# KiCad board DIP8breakout+potToUSB.kicad_pcb (continued)
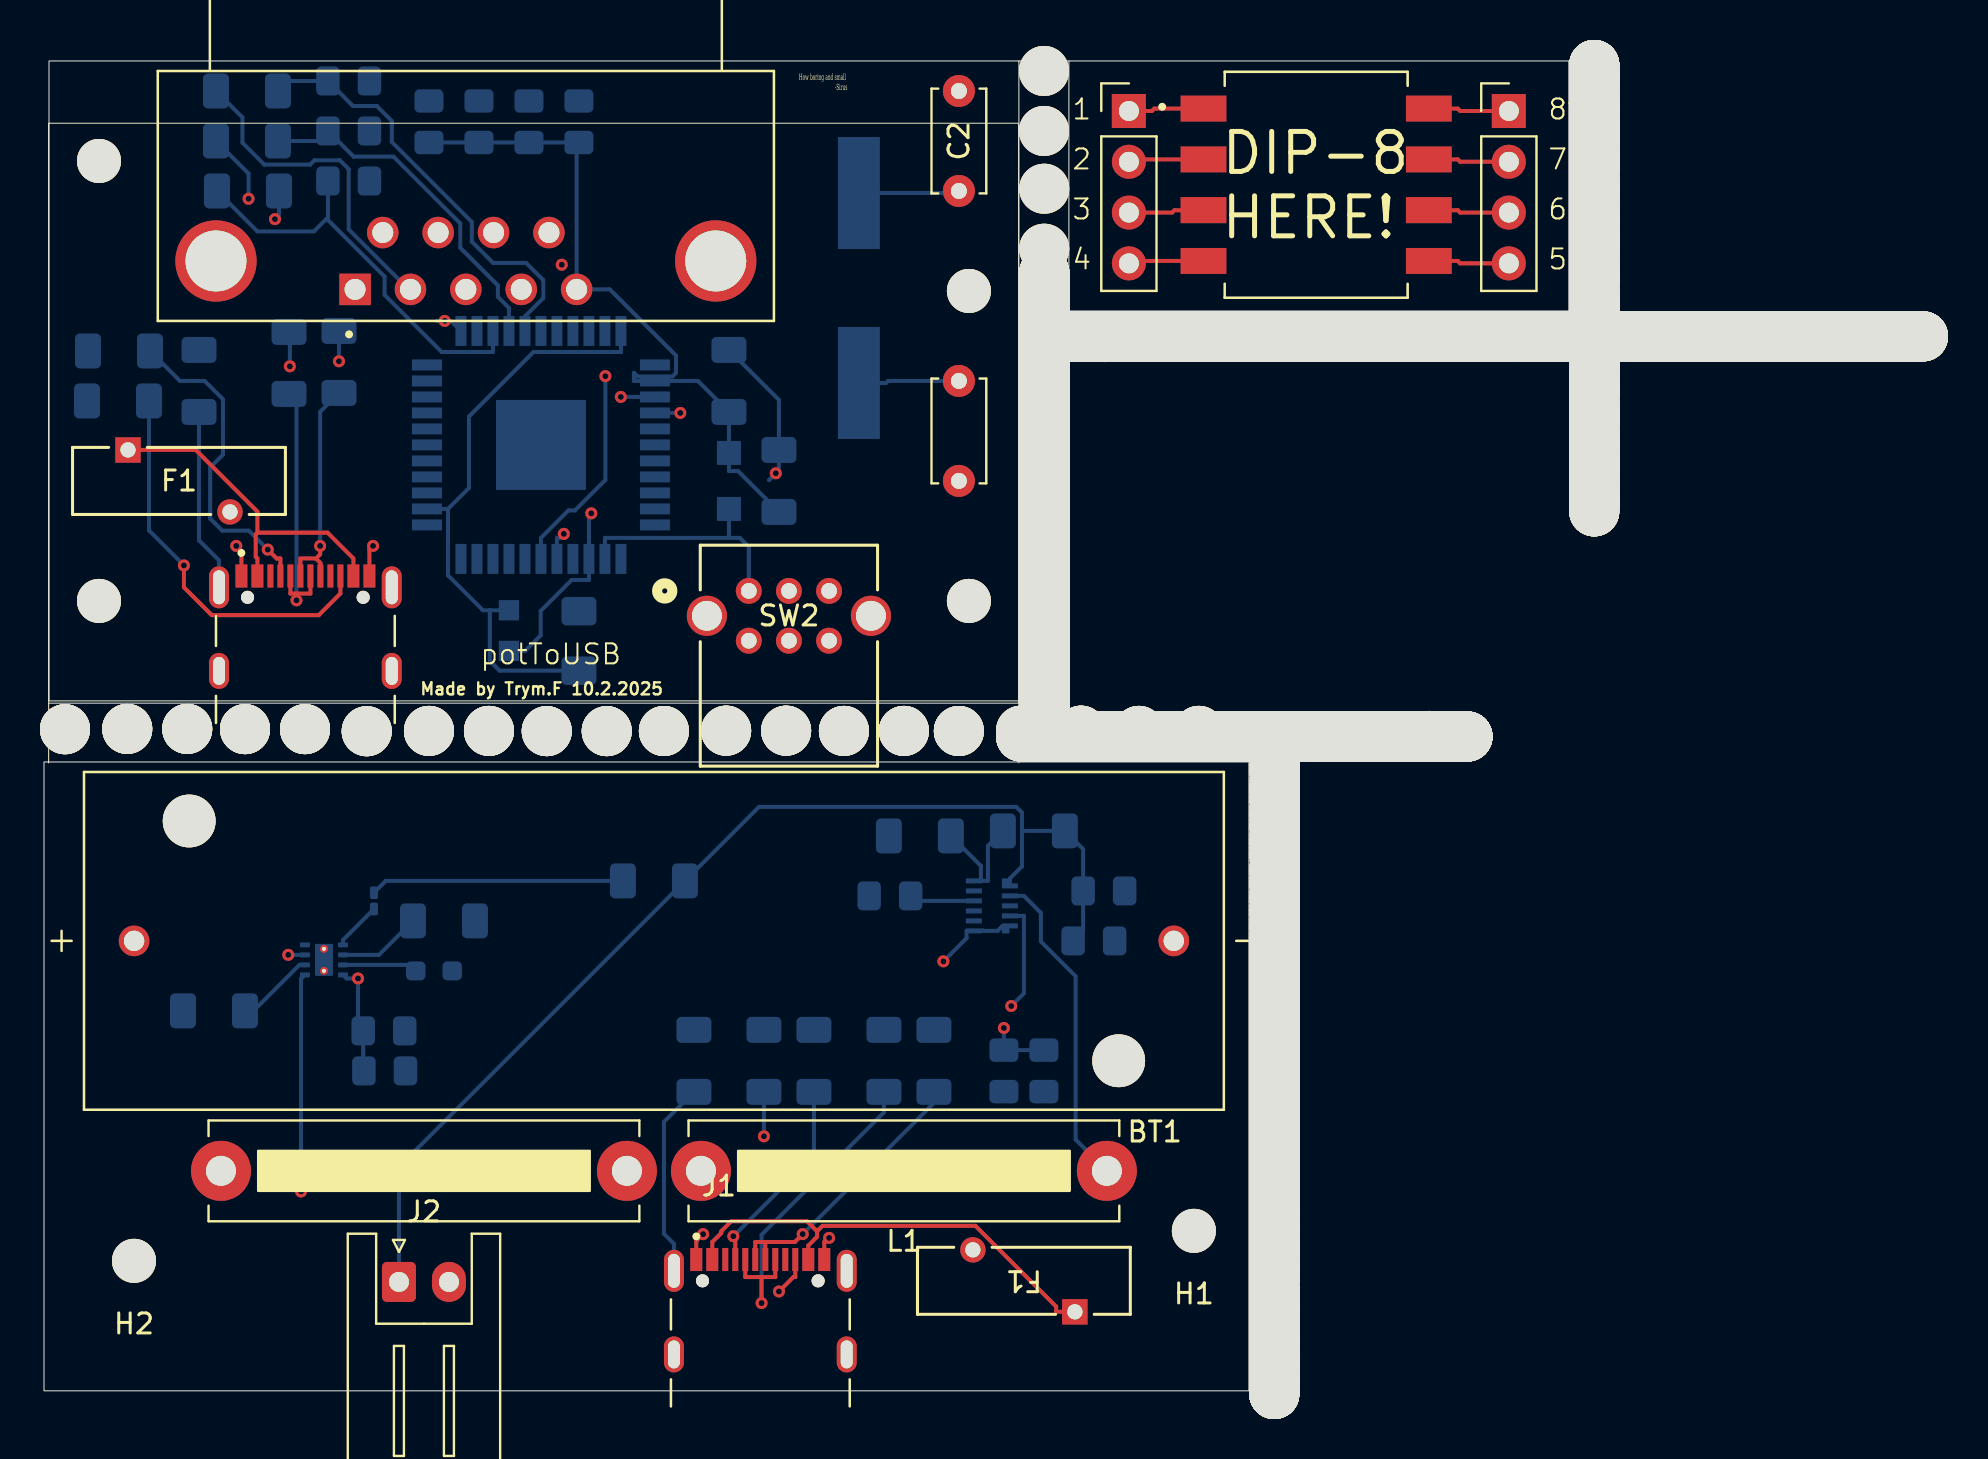
[diagram p0: board, top side]
## Placement (name value [footprint] x y rotation side) (continued)
H10#704  MountingHole  [MountingHole_2.5mm]  52.72 52.73 270 bottom
H10#705  MountingHole  [MountingHole_2.5mm]  50.02 54.11 180 bottom
H10#706  MountingHole  [MountingHole_2.5mm]  61.52 19.7 0 bottom
H10#707  MountingHole  [MountingHole_2.5mm]  77.52 62.14 180 bottom
H10#708  MountingHole  [MountingHole_2.5mm]  55.76 32.72 90 bottom
H10#709  MountingHole  [MountingHole_2.5mm]  83.76 52.73 270 bottom
H10#710  MountingHole  [MountingHole_2.5mm]  61.52 20.56 0 bottom
H10#711  MountingHole  [MountingHole_2.5mm]  50.02 54.31 180 bottom
H10#712  MountingHole  [MountingHole_2.5mm]  52.48 32.72 90 bottom
H10#713  MountingHole  [MountingHole_2.5mm]  50.02 35.59 180 bottom
H10#714  MountingHole  [MountingHole_2.5mm]  64.94 32.72 90 bottom
H10#715  MountingHole  [MountingHole_2.5mm]  77.52 63.14 180 bottom
H10#716  MountingHole  [MountingHole_2.5mm]  69.58 32.72 90 bottom
H10#717  MountingHole  [MountingHole_2.5mm]  50.02 52.29 180 bottom
H10#718  MountingHole  [MountingHole_2.5mm]  77.52 52.78 180 bottom
H10#719  MountingHole  [MountingHole_2.5mm]  50.02 42.85 180 bottom
H10#720  MountingHole  [MountingHole_2.5mm]  61.52 6.54 0 bottom
H10#721  MountingHole  [MountingHole_2.5mm]  77.88 52.73 270 bottom
H10#722  MountingHole  [MountingHole_2.5mm]  83.56 52.73 270 bottom
H10#723  MountingHole  [MountingHole_2.5mm]  50.46 32.72 90 bottom
H10#724  MountingHole  [MountingHole_2.5mm]  50.02 51.55 180 bottom
H10#725  MountingHole  [MountingHole_2.5mm]  61.52 1.64 0 bottom
H10#726  MountingHole  [MountingHole_2.5mm]  63.24 52.73 270 bottom
H10#727  MountingHole  [MountingHole_2.5mm]  83.96 52.73 270 bottom
H10#728  MountingHole  [MountingHole_2.5mm]  61.52 12.36 0 bottom
H10#729  MountingHole  [MountingHole_2.5mm]  61.52 3.26 0 bottom
H10#730  MountingHole  [MountingHole_2.5mm]  50.02 48.01 180 bottom
H10#731  MountingHole  [MountingHole_2.5mm]  61.55 26.91 180 bottom
H10#732  MountingHole  [MountingHole_2.5mm]  61.52 9.1 0 bottom
H10#733  MountingHole  [MountingHole_2.5mm]  50.02 47.31 180 bottom
H10#734  MountingHole  [MountingHole_2.5mm]  50.02 49.21 180 bottom
H10#735  MountingHole  [MountingHole_2.5mm]  82.3 52.73 270 bottom
H10#736  MountingHole  [MountingHole_2.5mm]  77.52 63.34 180 bottom
H10#737  MountingHole  [MountingHole_2.5mm]  61.52 0.5 0 bottom
H10#738  MountingHole  [MountingHole_2.5mm]  56.1 32.72 90 bottom
H10#739  MountingHole  [MountingHole_2.5mm]  50.02 41.29 180 bottom
H10#740  MountingHole  [MountingHole_2.5mm]  77.52 52.08 180 bottom
H10#741  MountingHole  [MountingHole_2.5mm]  50.02 48.67 180 bottom
H10#742  MountingHole  [MountingHole_2.5mm]  61.55 11.01 180 bottom
H10#743  MountingHole  [MountingHole_2.5mm]  55.68 52.73 270 bottom
H10#744  MountingHole  [MountingHole_2.5mm]  50.02 35.85 180 bottom
H10#745  MountingHole  [MountingHole_2.5mm]  76 52.73 270 bottom
H10#746  MountingHole  [MountingHole_2.5mm]  61.52 7.08 0 bottom
H10#747  MountingHole  [MountingHole_2.5mm]  61.98 52.73 270 bottom
H10#748  MountingHole  [MountingHole_2.5mm]  54.75 33 90 bottom
H10#749  MountingHole  [MountingHole_2.5mm]  77.52 52.98 180 bottom
H10#750  MountingHole  [MountingHole_2.5mm]  57.46 32.72 90 bottom
H10#751  MountingHole  [MountingHole_2.5mm]  77.52 49.82 180 bottom
H10#752  MountingHole  [MountingHole_2.5mm]  61.55 31.53 180 bottom
H10#753  MountingHole  [MountingHole_2.5mm]  72.04 52.73 270 bottom
H10#754  MountingHole  [MountingHole_2.5mm]  61.52 6.08 0 bottom
H10#755  MountingHole  [MountingHole_2.5mm]  16.14 32.98 90 bottom
H10#756  MountingHole  [MountingHole_2.5mm]  77.52 62.88 180 bottom
H10#757  MountingHole  [MountingHole_2.5mm]  61.55 21.07 180 bottom
H10#758  MountingHole  [MountingHole_2.5mm]  77.52 56.3 180 bottom
H10#759  MountingHole  [MountingHole_2.5mm]  50.02 40.83 180 bottom
H10#760  MountingHole  [MountingHole_2.5mm]  61.52 4 0 bottom
H10#761  MountingHole  [MountingHole_2.5mm]  61.55 16.31 180 bottom
H10#762  MountingHole  [MountingHole_2.5mm]  81.84 52.73 270 bottom
H10#763  MountingHole  [MountingHole_2.5mm]  72.9 52.73 270 bottom
H10#764  MountingHole  [MountingHole_2.5mm]  56.1 32.72 90 bottom
H10#765  MountingHole  [MountingHole_2.5mm]  73.24 52.73 270 bottom
H10#766  MountingHole  [MountingHole_2.5mm]  61.55 30.33 180 bottom
H10#767  MountingHole  [MountingHole_2.5mm]  89.2 52.73 270 bottom
H10#768  MountingHole  [MountingHole_2.5mm]  50.02 49.87 180 bottom
H10#769  MountingHole  [MountingHole_2.5mm]  61.52 21.3 0 bottom
H10#770  MountingHole  [MountingHole_2.5mm]  58.82 52.73 270 bottom
H10#771  MountingHole  [MountingHole_2.5mm]  50.66 32.72 90 bottom
H10#772  MountingHole  [MountingHole_2.5mm]  61.98 52.73 270 bottom
H10#773  MountingHole  [MountingHole_2.5mm]  74.1 52.73 270 bottom
H10#774  MountingHole  [MountingHole_2.5mm]  77.52 59.06 180 bottom
H10#775  MountingHole  [MountingHole_2.5mm]  61.55 24.03 180 bottom
H10#776  MountingHole  [MountingHole_2.5mm]  77.52 46.44 180 bottom
H10#777  MountingHole  [MountingHole_2.5mm]  66.62 32.72 90 bottom
H10#778  MountingHole  [MountingHole_2.5mm]  78.14 52.73 270 bottom
H10#779  MountingHole  [MountingHole_2.5mm]  58.36 52.73 270 bottom
H10#780  MountingHole  [MountingHole_2.5mm]  68.02 32.72 90 bottom
H10#781  MountingHole  [MountingHole_2.5mm]  61.52 14.92 0 bottom
H10#782  MountingHole  [MountingHole_2.5mm]  74.8 52.73 270 bottom
H10#783  MountingHole  [MountingHole_2.5mm]  77.52 50.68 180 bottom
H10#784  MountingHole  [MountingHole_2.5mm]  77.06 52.73 270 bottom
H10#785  MountingHole  [MountingHole_2.5mm]  61.55 28.57 180 bottom
H10#786  MountingHole  [MountingHole_2.5mm]  68.02 52.73 270 bottom
H10#787  MountingHole  [MountingHole_2.5mm]  61.55 26.71 180 bottom
H10#788  MountingHole  [MountingHole_2.5mm]  52.02 32.72 90 bottom
H10#789  MountingHole  [MountingHole_2.5mm]  50.02 51.35 180 bottom
H10#790  MountingHole  [MountingHole_2.5mm]  50.02 43.59 180 bottom
H10#791  MountingHole  [MountingHole_2.5mm]  69.38 32.72 90 bottom
H10#792  MountingHole  [MountingHole_2.5mm]  77.52 55.44 180 bottom
H10#793  MountingHole  [MountingHole_2.5mm]  55.48 52.73 270 bottom
H10#794  MountingHole  [MountingHole_2.5mm]  61.52 7.28 0 bottom
H10#795  MountingHole  [MountingHole_2.5mm]  62.38 32.72 90 bottom
H10#796  MountingHole  [MountingHole_2.5mm]  61.52 4.2 0 bottom
H10#797  MountingHole  [MountingHole_2.5mm]  73.04 52.73 270 bottom
H10#798  MountingHole  [MountingHole_2.5mm]  61.55 19.81 180 bottom
H10#799  MountingHole  [MountingHole_2.5mm]  77.52 63.84 180 bottom
H10#800  MountingHole  [MountingHole_2.5mm]  57.82 52.73 270 bottom
H10#801  MountingHole  [MountingHole_2.5mm]  61.52 19.9 0 bottom
H10#802  MountingHole  [MountingHole_2.5mm]  90.34 52.73 270 bottom
H10#803  MountingHole  [MountingHole_2.5mm]  69.62 52.73 270 bottom
H10#804  MountingHole  [MountingHole_2.5mm]  70.98 52.73 270 bottom
H10#805  MountingHole  [MountingHole_2.5mm]  55.1 32.72 90 bottom
H10#806  MountingHole  [MountingHole_2.5mm]  59.92 52.73 270 bottom
H10#807  MountingHole  [MountingHole_2.5mm]  50.02 45.91 180 bottom
H10#808  MountingHole  [MountingHole_2.5mm]  68.92 32.72 90 bottom
H10#809  MountingHole  [MountingHole_2.5mm]  77.52 66.3 180 bottom
H10#810  MountingHole  [MountingHole_2.5mm]  68.22 52.73 270 bottom
H10#811  MountingHole  [MountingHole_2.5mm]  61.55 15.65 180 bottom
H10#812  MountingHole  [MountingHole_2.5mm]  87.46 52.73 270 bottom
H10#813  MountingHole  [MountingHole_2.5mm]  77.52 47.6 180 bottom
H10#814  MountingHole  [MountingHole_2.5mm]  92.16 52.73 270 bottom
H10#815  MountingHole  [MountingHole_2.5mm]  60.32 32.72 90 bottom
H10#816  MountingHole  [MountingHole_2.5mm]  52.48 32.72 90 bottom
H10#817  MountingHole  [MountingHole_2.5mm]  77.52 49.2 180 bottom
H10#818  MountingHole  [MountingHole_2.5mm]  74.8 52.73 270 bottom
H10#819  MountingHole  [MountingHole_2.5mm]  61.55 22.47 180 bottom
H10#820  MountingHole  [MountingHole_2.5mm]  61.52 17.8 0 bottom
H10#821  MountingHole  [MountingHole_2.5mm]  53.38 52.73 270 bottom
H10#822  MountingHole  [MountingHole_2.5mm]  73.9 52.73 270 bottom
H10#823  MountingHole  [MountingHole_2.5mm]  71.84 52.73 270 bottom
H10#824  MountingHole  [MountingHole_2.5mm]  61.52 19.5 0 bottom
H10#825  MountingHole  [MountingHole_2.5mm]  50.02 39.43 180 bottom
H10#826  MountingHole  [MountingHole_2.5mm]  61.52 15.66 0 bottom
H10#827  MountingHole  [MountingHole_2.5mm]  61.55 23.63 180 bottom
H10#828  MountingHole  [MountingHole_2.5mm]  77.52 59.8 180 bottom
H10#829  MountingHole  [MountingHole_2.5mm]  77.52 50.68 180 bottom
H10#830  MountingHole  [MountingHole_2.5mm]  77.52 64.5 180 bottom
H10#831  MountingHole  [MountingHole_2.5mm]  67.02 32.72 90 bottom
H10#832  MountingHole  [MountingHole_2.5mm]  59.72 52.73 270 bottom
H10#833  MountingHole  [MountingHole_2.5mm]  77.52 44.38 180 bottom
H10#834  MountingHole  [MountingHole_2.5mm]  86.52 52.73 270 bottom
H10#835  MountingHole  [MountingHole_2.5mm]  50.02 50.89 180 bottom
H10#836  MountingHole  [MountingHole_2.5mm]  68.02 32.72 90 bottom
H10#837  MountingHole  [MountingHole_2.5mm]  49.06 32.72 90 bottom
H10#838  MountingHole  [MountingHole_2.5mm]  80.9 52.73 270 bottom
H10#839  MountingHole  [MountingHole_2.5mm]  92.16 52.73 270 bottom
H10#840  MountingHole  [MountingHole_2.5mm]  71.64 52.73 270 bottom
H10#841  MountingHole  [MountingHole_2.5mm]  61.32 52.73 270 bottom
H10#842  MountingHole  [MountingHole_2.5mm]  77.52 57.04 180 bottom
H10#843  MountingHole  [MountingHole_2.5mm]  50.02 46.65 180 bottom
H10#844  MountingHole  [MountingHole_2.5mm]  50.02 38.61 180 bottom
H10#845  MountingHole  [MountingHole_2.5mm]  61.55 23.83 180 bottom
H10#846  MountingHole  [MountingHole_2.5mm]  87.26 52.73 270 bottom
H10#847  MountingHole  [MountingHole_2.5mm]  61.55 31.53 180 bottom
H10#848  MountingHole  [MountingHole_2.5mm]  61.52 11.5 0 bottom
H10#849  MountingHole  [MountingHole_2.5mm]  77.52 62.68 180 bottom
H10#850  MountingHole  [MountingHole_2.5mm]  61.55 22.67 180 bottom
H10#851  MountingHole  [MountingHole_2.5mm]  59.02 52.73 270 bottom
H10#852  MountingHole  [MountingHole_2.5mm]  77.52 64.9 180 bottom
H10#853  MountingHole  [MountingHole_2.5mm]  65.54 52.73 270 bottom
H10#854  MountingHole  [MountingHole_2.5mm]  61.52 11.76 0 bottom
H10#855  MountingHole  [MountingHole_2.5mm]  77.52 62.48 180 bottom
H10#856  MountingHole  [MountingHole_2.5mm]  50.02 43.59 180 bottom
H10#857  MountingHole  [MountingHole_2.5mm]  48.86 32.72 90 bottom
H10#858  MountingHole  [MountingHole_2.5mm]  80.24 52.73 270 bottom
H10#859  MountingHole  [MountingHole_2.5mm]  51.32 52.73 270 bottom
H10#860  MountingHole  [MountingHole_2.5mm]  61.52 14.46 0 bottom
H10#861  MountingHole  [MountingHole_2.5mm]  53.22 32.72 90 bottom
H10#862  MountingHole  [MountingHole_2.5mm]  61.32 52.73 270 bottom
H10#863  MountingHole  [MountingHole_2.5mm]  50.02 50.69 180 bottom
H10#864  MountingHole  [MountingHole_2.5mm]  72.18 52.73 270 bottom
H10#865  MountingHole  [MountingHole_2.5mm]  77.52 50.48 180 bottom
H10#866  MountingHole  [MountingHole_2.5mm]  61.55 22.67 180 bottom
H10#867  MountingHole  [MountingHole_2.5mm]  61.55 24.29 180 bottom
H10#868  MountingHole  [MountingHole_2.5mm]  75.66 52.73 270 bottom
H10#869  MountingHole  [MountingHole_2.5mm]  55.48 52.73 270 bottom
H10#870  MountingHole  [MountingHole_2.5mm]  59.42 52.73 270 bottom
H10#871  MountingHole  [MountingHole_2.5mm]  50.02 55.05 180 bottom
H10#872  MountingHole  [MountingHole_2.5mm]  61.52 7.94 0 bottom
H10#873  MountingHole  [MountingHole_2.5mm]  77.68 52.73 270 bottom
H10#874  MountingHole  [MountingHole_2.5mm]  50.02 36.25 180 bottom
H10#875  MountingHole  [MountingHole_2.5mm]  77.52 46.94 180 bottom
H10#876  MountingHole  [MountingHole_2.5mm]  61.52 17.4 0 bottom
H10#877  MountingHole  [MountingHole_2.5mm]  84.7 52.73 270 bottom
H10#878  MountingHole  [MountingHole_2.5mm]  73.04 52.73 270 bottom
H10#879  MountingHole  [MountingHole_2.5mm]  60.12 52.73 270 bottom
H10#880  MountingHole  [MountingHole_2.5mm]  72.38 52.73 270 bottom
H10#881  MountingHole  [MountingHole_2.5mm]  77.52 58.4 180 bottom
H10#882  MountingHole  [MountingHole_2.5mm]  50.02 51.35 180 bottom
H10#883  MountingHole  [MountingHole_2.5mm]  50.02 50.49 180 bottom
H10#884  MountingHole  [MountingHole_2.5mm]  61.52 13.56 0 bottom
H10#885  MountingHole  [MountingHole_2.5mm]  61.55 30.67 180 bottom
H10#886  MountingHole  [MountingHole_2.5mm]  61.18 32.72 90 bottom
H10#887  MountingHole  [MountingHole_2.5mm]  49.46 32.72 90 bottom
H10#888  MountingHole  [MountingHole_2.5mm]  51.52 52.73 270 bottom
H10#889  MountingHole  [MountingHole_2.5mm]  50.02 48.47 180 bottom
H10#890  MountingHole  [MountingHole_2.5mm]  50.02 39.43 180 bottom
H10#891  MountingHole  [MountingHole_2.5mm]  50.02 35.19 180 bottom
H10#892  MountingHole  [MountingHole_2.5mm]  61.55 19.41 180 bottom
H10#893  MountingHole  [MountingHole_2.5mm]  61.52 5.68 0 bottom
H10#894  MountingHole  [MountingHole_2.5mm]  56.54 52.73 270 bottom
H10#895  MountingHole  [MountingHole_2.5mm]  77.52 62.68 180 bottom
H10#896  MountingHole  [MountingHole_2.5mm]  61.52 9.64 0 bottom
H10#897  MountingHole  [MountingHole_2.5mm]  63.08 32.72 90 bottom
H10#898  MountingHole  [MountingHole_2.5mm]  50.02 44.25 180 bottom
H10#899  MountingHole  [MountingHole_2.5mm]  77.52 64.7 180 bottom
H10#900  MountingHole  [MountingHole_2.5mm]  61.55 17.71 180 bottom
H10#901  MountingHole  [MountingHole_2.5mm]  53.18 52.73 270 bottom
H10#902  MountingHole  [MountingHole_2.5mm]  61.55 20.87 180 bottom
H10#903  MountingHole  [MountingHole_2.5mm]  90.8 52.73 270 bottom
H10#904  MountingHole  [MountingHole_2.5mm]  71.64 52.73 270 bottom
H10#905  MountingHole  [MountingHole_2.5mm]  61.55 12.57 180 bottom
H10#906  MountingHole  [MountingHole_2.5mm]  50.02 42.65 180 bottom
H10#907  MountingHole  [MountingHole_2.5mm]  59.22 52.73 270 bottom
H10#908  MountingHole  [MountingHole_2.5mm]  50.02 33.99 180 bottom
H10#909  MountingHole  [MountingHole_2.5mm]  61.52 21.1 0 bottom
H10#910  MountingHole  [MountingHole_2.5mm]  68.72 32.72 90 bottom
H10#911  MountingHole  [MountingHole_2.5mm]  50.02 40.09 180 bottom
H10#912  MountingHole  [MountingHole_2.5mm]  89.6 52.73 270 bottom
H10#913  MountingHole  [MountingHole_2.5mm]  53.22 32.72 90 bottom
H10#914  MountingHole  [MountingHole_2.5mm]  89.14 52.73 270 bottom
H10#915  MountingHole  [MountingHole_2.5mm]  61.52 14.06 0 bottom
H10#916  MountingHole  [MountingHole_2.5mm]  71.18 52.73 270 bottom
H10#917  MountingHole  [MountingHole_2.5mm]  89.8 52.73 270 bottom
H10#918  MountingHole  [MountingHole_2.5mm]  77.52 61.74 180 bottom
H10#919  MountingHole  [MountingHole_2.5mm]  50.02 52.09 180 bottom
H10#920  MountingHole  [MountingHole_2.5mm]  61.52 4.6 0 bottom
H10#921  MountingHole  [MountingHole_2.5mm]  61.55 10.47 180 bottom
H10#922  MountingHole  [MountingHole_2.5mm]  50.02 41.03 180 bottom
H10#923  MountingHole  [MountingHole_2.5mm]  61.55 27.57 180 bottom
H10#924  MountingHole  [MountingHole_2.5mm]  77.52 44.84 180 bottom
H10#925  MountingHole  [MountingHole_2.5mm]  50.02 45.91 180 bottom
H10#926  MountingHole  [MountingHole_2.5mm]  58.12 32.72 90 bottom
H10#927  MountingHole  [MountingHole_2.5mm]  61.52 8.84 0 bottom
H10#928  MountingHole  [MountingHole_2.5mm]  65.14 52.73 270 bottom
H10#929  MountingHole  [MountingHole_2.5mm]  59.02 52.73 270 bottom
H10#930  MountingHole  [MountingHole_2.5mm]  93.96 52.73 270 bottom
H10#931  MountingHole  [MountingHole_2.5mm]  61.55 14.63 180 bottom
H10#932  MountingHole  [MountingHole_2.5mm]  50.02 52.75 180 bottom
H10#933  MountingHole  [MountingHole_2.5mm]  67.56 32.72 90 bottom
H10#934  MountingHole  [MountingHole_2.5mm]  61.55 26.91 180 bottom
H10#935  MountingHole  [MountingHole_2.5mm]  70.78 52.73 270 bottom
H10#936  MountingHole  [MountingHole_2.5mm]  56.34 52.73 270 bottom
H10#937  MountingHole  [MountingHole_2.5mm]  57.92 32.72 90 bottom
H10#938  MountingHole  [MountingHole_2.5mm]  65.14 32.72 90 bottom
H10#939  MountingHole  [MountingHole_2.5mm]  60.38 52.73 270 bottom
H10#940  MountingHole  [MountingHole_2.5mm]  50.12 32.72 90 bottom
H10#941  MountingHole  [MountingHole_2.5mm]  61.52 21.3 0 bottom
H10#942  MountingHole  [MountingHole_2.5mm]  68.22 32.72 90 bottom
H10#943  MountingHole  [MountingHole_2.5mm]  77.52 51.68 180 bottom
H10#944  MountingHole  [MountingHole_2.5mm]  50.02 54.85 180 bottom
H10#945  MountingHole  [MountingHole_2.5mm]  70.98 32.72 90 bottom
H10#946  MountingHole  [MountingHole_2.5mm]  61.52 16.94 0 bottom
H10#947  MountingHole  [MountingHole_2.5mm]  50.02 47.11 180 bottom
H10#948  MountingHole  [MountingHole_2.5mm]  61.52 21.76 0 bottom
H10#949  MountingHole  [MountingHole_2.5mm]  50.02 38.61 180 bottom
H10#950  MountingHole  [MountingHole_2.5mm]  65.34 32.72 90 bottom
H10#951  MountingHole  [MountingHole_2.5mm]  77.52 59.06 180 bottom
H10#952  MountingHole  [MountingHole_2.5mm]  84.16 52.73 270 bottom
H10#953  MountingHole  [MountingHole_2.5mm]  50.02 46.11 180 bottom
H10#954  MountingHole  [MountingHole_2.5mm]  52.72 52.73 270 bottom
H10#955  MountingHole  [MountingHole_2.5mm]  61.52 0.24 0 bottom
H10#956  MountingHole  [MountingHole_2.5mm]  56.96 32.72 90 bottom
H10#957  MountingHole  [MountingHole_2.5mm]  56.56 32.72 90 bottom
H10#958  MountingHole  [MountingHole_2.5mm]  73.9 52.73 270 bottom
H10#959  MountingHole  [MountingHole_2.5mm]  62.58 52.73 270 bottom
H10#960  MountingHole  [MountingHole_2.5mm]  70.98 52.73 270 bottom
H10#961  MountingHole  [MountingHole_2.5mm]  70.32 32.72 90 bottom
H10#962  MountingHole  [MountingHole_2.5mm]  61.52 12.7 0 bottom
H10#963  MountingHole  [MountingHole_2.5mm]  77.52 51.88 180 bottom
H10#964  MountingHole  [MountingHole_2.5mm]  51.62 32.72 90 bottom
H10#965  MountingHole  [MountingHole_2.5mm]  61.52 8.44 0 bottom
H10#966  MountingHole  [MountingHole_2.5mm]  61.72 32.72 90 bottom
H10#967  MountingHole  [MountingHole_2.5mm]  64.44 52.73 270 bottom
H10#968  MountingHole  [MountingHole_2.5mm]  61.52 16.12 0 bottom
H10#969  MountingHole  [MountingHole_2.5mm]  83.3 52.73 270 bottom
H10#970  MountingHole  [MountingHole_2.5mm]  52.18 52.73 270 bottom
H10#971  MountingHole  [MountingHole_2.5mm]  50.02 46.45 180 bottom
H10#972  MountingHole  [MountingHole_2.5mm]  61.12 52.73 270 bottom
H10#973  MountingHole  [MountingHole_2.5mm]  77.52 45.58 180 bottom
H10#974  MountingHole  [MountingHole_2.5mm]  81.1 52.73 270 bottom
H10#975  MountingHole  [MountingHole_2.5mm]  50.66 32.72 90 bottom
H10#976  MountingHole  [MountingHole_2.5mm]  77.52 57.5 180 bottom
H10#977  MountingHole  [MountingHole_2.5mm]  56.3 32.72 90 bottom
H10#978  MountingHole  [MountingHole_2.5mm]  77.52 66.1 180 bottom
H10#979  MountingHole  [MountingHole_2.5mm]  64.18 52.73 270 bottom
H10#980  MountingHole  [MountingHole_2.5mm]  61.52 10.24 0 bottom
H10#981  MountingHole  [MountingHole_2.5mm]  77.52 65.24 180 bottom
H10#982  MountingHole  [MountingHole_2.5mm]  54.7 32.72 90 bottom
H10#983  MountingHole  [MountingHole_2.5mm]  61.52 11.3 0 bottom
H10#984  MountingHole  [MountingHole_2.5mm]  61.55 29.93 180 bottom
H10#985  MountingHole  [MountingHole_2.5mm]  77.52 65.9 180 bottom
H10#986  MountingHole  [MountingHole_2.5mm]  57.16 32.72 90 bottom
H10#987  MountingHole  [MountingHole_2.5mm]  61.78 52.73 270 bottom
H10#988  MountingHole  [MountingHole_2.5mm]  61.55 21.27 180 bottom
H10#989  MountingHole  [MountingHole_2.5mm]  77.52 64.24 180 bottom
H10#990  MountingHole  [MountingHole_2.5mm]  77.52 45.98 180 bottom
H10#991  MountingHole  [MountingHole_2.5mm]  77.52 54.18 180 bottom
H10#992  MountingHole  [MountingHole_2.5mm]  60.98 32.72 90 bottom
H10#993  MountingHole  [MountingHole_2.5mm]  50.02 53.65 180 bottom
H10#994  MountingHole  [MountingHole_2.5mm]  50.02 42.39 180 bottom
H10#995  MountingHole  [MountingHole_2.5mm]  61.55 25.89 180 bottom
H10#996  MountingHole  [MountingHole_2.5mm]  61.52 21.76 0 bottom
H10#997  MountingHole  [MountingHole_2.5mm]  71.18 32.72 90 bottom
H10#998  MountingHole  [MountingHole_2.5mm]  87.92 52.73 270 bottom
H10#999  MountingHole  [MountingHole_2.5mm]  66 52.73 270 bottom
H10#1000  MountingHole  [MountingHole_2.5mm]  61.55 15.65 180 bottom
H10#1001  MountingHole  [MountingHole_2.5mm]  84.5 52.73 270 bottom
H10#1002  MountingHole  [MountingHole_2.5mm]  86.06 52.73 270 bottom
H10#1003  MountingHole  [MountingHole_2.5mm]  50.02 48.87 180 bottom
H10#1004  MountingHole  [MountingHole_2.5mm]  50.02 44.05 180 bottom
H10#1005  MountingHole  [MountingHole_2.5mm]  50.02 41.03 180 bottom
H10#1006  MountingHole  [MountingHole_2.5mm]  51.82 32.72 90 bottom
H10#1007  MountingHole  [MountingHole_2.5mm]  56.76 52.73 270 bottom
H10#1008  MountingHole  [MountingHole_2.5mm]  61.55 21.27 180 bottom
H10#1009  MountingHole  [MountingHole_2.5mm]  61.55 22.67 180 bottom
H10#1010  MountingHole  [MountingHole_2.5mm]  79.54 52.73 270 bottom
H10#1011  MountingHole  [MountingHole_2.5mm]  77.52 60.46 180 bottom
H10#1012  MountingHole  [MountingHole_2.5mm]  61.55 20.01 180 bottom
H10#1013  MountingHole  [MountingHole_2.5mm]  61.55 25.43 180 bottom
H10#1014  MountingHole  [MountingHole_2.5mm]  62.18 32.72 90 bottom
H10#1015  MountingHole  [MountingHole_2.5mm]  50.02 53.45 180 bottom
H10#1016  MountingHole  [MountingHole_2.5mm]  50.02 55.05 180 bottom
H10#1017  MountingHole  [MountingHole_2.5mm]  91.3 52.73 270 bottom
H10#1018  MountingHole  [MountingHole_2.5mm]  66.36 32.72 90 bottom
H10#1019  MountingHole  [MountingHole_2.5mm]  77.52 64.04 180 bottom
H10#1020  MountingHole  [MountingHole_2.5mm]  61.32 52.73 270 bottom
H10#1021  MountingHole  [MountingHole_2.5mm]  63.44 52.73 270 bottom
H10#1022  MountingHole  [MountingHole_2.5mm]  67.6 52.73 270 bottom
H10#1023  MountingHole  [MountingHole_2.5mm]  77.52 58.86 180 bottom
H10#1024  MountingHole  [MountingHole_2.5mm]  61.55 15.25 180 bottom
H10#1025  MountingHole  [MountingHole_2.5mm]  53.22 32.72 90 bottom
H10#1026  MountingHole  [MountingHole_2.5mm]  51.98 52.73 270 bottom
H10#1027  MountingHole  [MountingHole_2.5mm]  90.54 52.73 270 bottom
H10#1028  MountingHole  [MountingHole_2.5mm]  74.4 52.73 270 bottom
H10#1029  MountingHole  [MountingHole_2.5mm]  59.26 32.72 90 bottom
H10#1030  MountingHole  [MountingHole_2.5mm]  52.92 52.73 270 bottom
H10#1031  MountingHole  [MountingHole_2.5mm]  70.98 32.72 90 bottom
H10#1032  MountingHole  [MountingHole_2.5mm]  64.48 32.72 90 bottom
H10#1033  MountingHole  [MountingHole_2.5mm]  65.74 52.73 270 bottom
H10#1034  MountingHole  [MountingHole_2.5mm]  79.74 52.73 270 bottom
H10#1035  MountingHole  [MountingHole_2.5mm]  61.52 12.5 0 bottom
H10#1036  MountingHole  [MountingHole_2.5mm]  50.02 47.31 180 bottom
H10#1037  MountingHole  [MountingHole_2.5mm]  61.52 52.73 270 bottom
H10#1038  MountingHole  [MountingHole_2.5mm]  50.02 38.81 180 bottom
H10#1039  MountingHole  [MountingHole_2.5mm]  61.55 26.09 180 bottom
H10#1040  MountingHole  [MountingHole_2.5mm]  61.78 52.73 270 bottom
H10#1041  MountingHole  [MountingHole_2.5mm]  58.76 52.73 270 bottom
H10#1042  MountingHole  [MountingHole_2.5mm]  61.52 1.44 0 bottom
H10#1043  MountingHole  [MountingHole_2.5mm]  76.66 52.73 270 bottom
H10#1044  MountingHole  [MountingHole_2.5mm]  60.32 32.72 90 bottom
H10#1045  MountingHole  [MountingHole_2.5mm]  61.55 17.51 180 bottom
H10#1046  MountingHole  [MountingHole_2.5mm]  77.52 44.38 180 bottom
H10#1047  MountingHole  [MountingHole_2.5mm]  61.55 28.31 180 bottom
H10#1048  MountingHole  [MountingHole_2.5mm]  78.34 52.73 270 bottom
H10#1049  MountingHole  [MountingHole_2.5mm]  72.58 52.73 270 bottom
H10#1050  MountingHole  [MountingHole_2.5mm]  65.34 52.73 270 bottom
H10#1051  MountingHole  [MountingHole_2.5mm]  60.58 52.73 270 bottom
H10#1052  MountingHole  [MountingHole_2.5mm]  48.86 33.01 90 bottom
H10#1053  MountingHole  [MountingHole_2.5mm]  50.02 48.67 180 bottom
H10#1054  MountingHole  [MountingHole_2.5mm]  77.52 64.7 180 bottom
H10#1055  MountingHole  [MountingHole_2.5mm]  77.52 44.84 180 bottom
H10#1056  MountingHole  [MountingHole_2.5mm]  61.55 29.67 180 bottom
H10#1057  MountingHole  [MountingHole_2.5mm]  57.86 32.72 90 bottom
H10#1058  MountingHole  [MountingHole_2.5mm]  68.62 52.73 270 bottom
H10#1059  MountingHole  [MountingHole_2.5mm]  50.02 55.25 180 bottom
H10#1060  MountingHole  [MountingHole_2.5mm]  77.52 53.98 180 bottom
H10#1061  MountingHole  [MountingHole_2.5mm]  61.52 10.5 0 bottom
H10#1062  MountingHole  [MountingHole_2.5mm]  53.88 32.72 90 bottom
H10#1063  MountingHole  [MountingHole_2.5mm]  85.86 52.73 270 bottom
H10#1064  MountingHole  [MountingHole_2.5mm]  61.52 2.5 0 bottom
H10#1065  MountingHole  [MountingHole_2.5mm]  66.74 52.73 270 bottom
H10#1066  MountingHole  [MountingHole_2.5mm]  50.02 34.45 180 bottom
H10#1067  MountingHole  [MountingHole_2.5mm]  61.52 8.14 0 bottom
H10#1068  MountingHole  [MountingHole_2.5mm]  50.02 50.69 180 bottom
H10#1069  MountingHole  [MountingHole_2.5mm]  61.52 21.1 0 bottom
H10#1070  MountingHole  [MountingHole_2.5mm]  50.02 38.41 180 bottom
H10#1071  MountingHole  [MountingHole_2.5mm]  77.52 49 180 bottom
H10#1072  MountingHole  [MountingHole_2.5mm]  50.02 42.39 180 bottom